# KiCad board badge.kicad_pcb (continued)
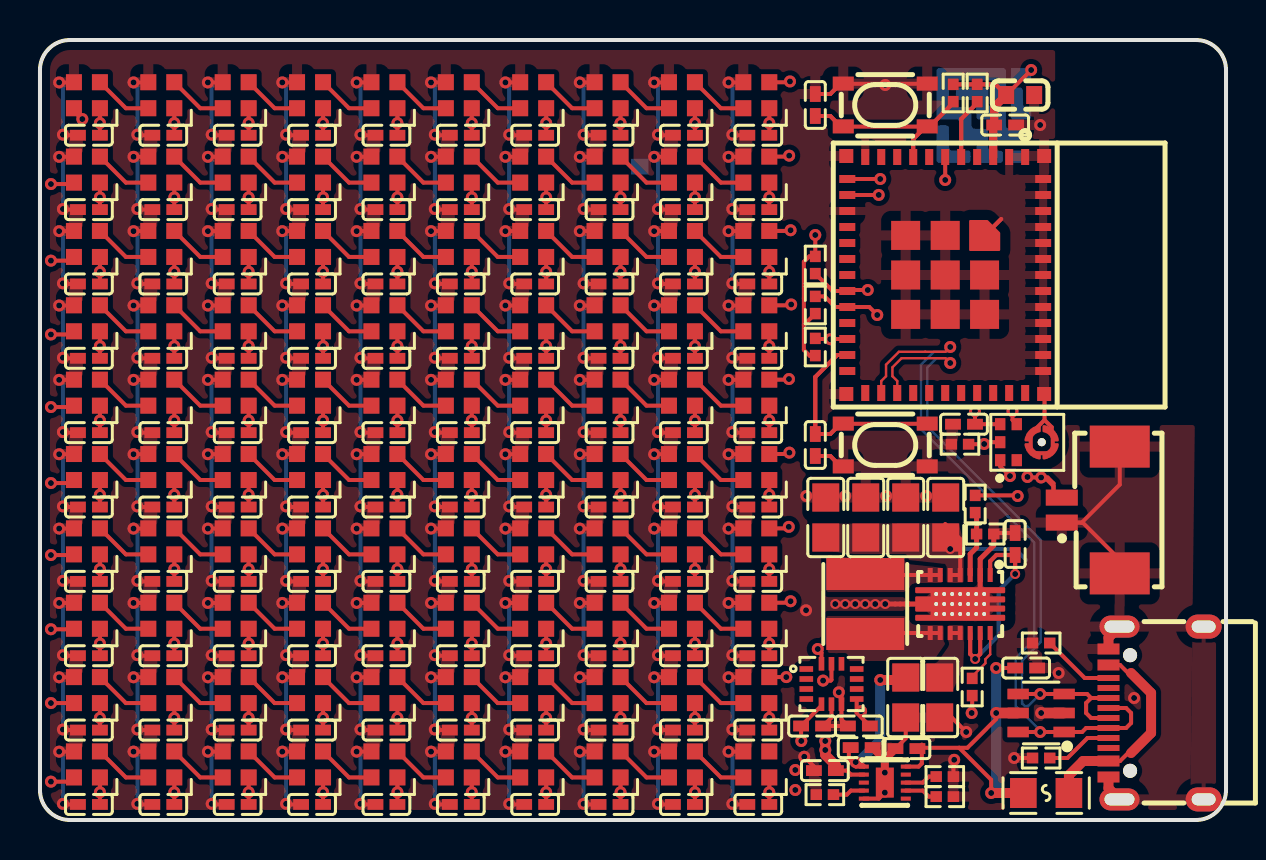
[diagram p0: board, top side]
## Library data of the parts (continued)
C104 = -: Datasheet: https://www.lcsc.com/datasheet/lcsc_datasheet_2304140030_Samsung-Electro-Mechanics-CL05B104KO5NNNC_C1525.pdf; checksum: dee2f3e8b3b5dcf7b72bbcb4e8c6e40185d754e15ce4224dccbc55d9ddeb3abe; __atopile_lib_fp_hash__: abd85f6b-95fa-ed5a-88fe-be39d3a76574; LCSC: C1525; Manufacturer: Samsung Electro-Mechanics; Partnumber: CL05B104KO5NNNC; PARAM_capacitance: {"type": "Quantity_Interval_Disjoint", "data": {"intervals": {"type": "Numeric_Interval_Disjoint", "data": {"intervals": [{"type": "Numeric_Interval", "data": {"min": 9e-08, "max": 1.1e-07}}]}}, "unit": "farad"}}; PARAM_max_voltage: {"type": "Quantity_Set_Discrete", "data": {"intervals": {"type": "Numeric_Interval_Disjoint", "data": {"intervals": [{"type": "Numeric_Interval", "data": {"min": 16.0, "max": 16.0}}]}}, "unit": "volt"}}; PARAM_temperature_coefficient: {"type": "EnumSet", "data": {"elements": [{"name": "X7R"}], "enum": {"name": "TemperatureCoefficient", "values": {"Y5V": 1, "Z5U": 2, "X7S": 3, "X5R": 4, "X6R": 5, "X7R": 6, "X8R": 7, "C0G": 8}}}}; atopile_address: led_grid.rows[9].leds[9].cap; atopile_subaddresses: [.ato/modules/atopile/addressable-leds/layouts/default/default.kicad_pcb:cap, layouts/grid100x100/grid100x100.kicad_pcb:rows[9].leds[9].cap, layouts/strip10/strip10.kicad_pcb:leds[9].cap]
C105 = -: Datasheet: https://www.lcsc.com/datasheet/lcsc_datasheet_2304140030_Samsung-Electro-Mechanics-CL05B104KO5NNNC_C1525.pdf; checksum: dee2f3e8b3b5dcf7b72bbcb4e8c6e40185d754e15ce4224dccbc55d9ddeb3abe; __atopile_lib_fp_hash__: abd85f6b-95fa-ed5a-88fe-be39d3a76574; LCSC: C1525; Manufacturer: Samsung Electro-Mechanics; Partnumber: CL05B104KO5NNNC; PARAM_capacitance: {"type": "Quantity_Interval_Disjoint", "data": {"intervals": {"type": "Numeric_Interval_Disjoint", "data": {"intervals": [{"type": "Numeric_Interval", "data": {"min": 9e-08, "max": 1.1e-07}}]}}, "unit": "farad"}}; PARAM_max_voltage: {"type": "Quantity_Set_Discrete", "data": {"intervals": {"type": "Numeric_Interval_Disjoint", "data": {"intervals": [{"type": "Numeric_Interval", "data": {"min": 16.0, "max": 16.0}}]}}, "unit": "volt"}}; PARAM_temperature_coefficient: {"type": "EnumSet", "data": {"elements": [{"name": "X7R"}], "enum": {"name": "TemperatureCoefficient", "values": {"Y5V": 1, "Z5U": 2, "X7S": 3, "X5R": 4, "X6R": 5, "X7R": 6, "X8R": 7, "C0G": 8}}}}; atopile_address: microphone.decoupling_capacitor; atopile_subaddresses: [.ato/modules/atopile/microphones/layouts/tdk_invensense_ics_43434/tdk_invensense_ics_43434.kicad_pcb:decoupling_capacitor]
C106 = -: Datasheet: https://www.lcsc.com/datasheet/lcsc_datasheet_2304140030_Samsung-Electro-Mechanics-CL05B104KO5NNNC_C1525.pdf; checksum: dee2f3e8b3b5dcf7b72bbcb4e8c6e40185d754e15ce4224dccbc55d9ddeb3abe; __atopile_lib_fp_hash__: abd85f6b-95fa-ed5a-88fe-be39d3a76574; LCSC: C1525; Manufacturer: Samsung Electro-Mechanics; Partnumber: CL05B104KO5NNNC; PARAM_capacitance: {"type": "Quantity_Interval_Disjoint", "data": {"intervals": {"type": "Numeric_Interval_Disjoint", "data": {"intervals": [{"type": "Numeric_Interval", "data": {"min": 9e-08, "max": 1.1e-07}}]}}, "unit": "farad"}}; PARAM_max_voltage: {"type": "Quantity_Set_Discrete", "data": {"intervals": {"type": "Numeric_Interval_Disjoint", "data": {"intervals": [{"type": "Numeric_Interval", "data": {"min": 16.0, "max": 16.0}}]}}, "unit": "volt"}}; PARAM_temperature_coefficient: {"type": "EnumSet", "data": {"elements": [{"name": "X7R"}], "enum": {"name": "TemperatureCoefficient", "values": {"Y5V": 1, "Z5U": 2, "X7S": 3, "X5R": 4, "X6R": 5, "X7R": 6, "X8R": 7, "C0G": 8}}}}; atopile_address: microcontroller.debounce_capacitors[0]; atopile_subaddresses: [.ato/modules/atopile/espressif-esp32-c3/layouts/esp32_c3_mini_1_driver/esp32_c3_mini_1_driver.kicad_pcb:debounce_capacitors[0]]
C107 = -: Datasheet: https://www.lcsc.com/datasheet/lcsc_datasheet_2304140030_Samsung-Electro-Mechanics-CL05B104KO5NNNC_C1525.pdf; checksum: dee2f3e8b3b5dcf7b72bbcb4e8c6e40185d754e15ce4224dccbc55d9ddeb3abe; __atopile_lib_fp_hash__: abd85f6b-95fa-ed5a-88fe-be39d3a76574; LCSC: C1525; Manufacturer: Samsung Electro-Mechanics; Partnumber: CL05B104KO5NNNC; PARAM_capacitance: {"type": "Quantity_Interval_Disjoint", "data": {"intervals": {"type": "Numeric_Interval_Disjoint", "data": {"intervals": [{"type": "Numeric_Interval", "data": {"min": 9e-08, "max": 1.1e-07}}]}}, "unit": "farad"}}; PARAM_max_voltage: {"type": "Quantity_Set_Discrete", "data": {"intervals": {"type": "Numeric_Interval_Disjoint", "data": {"intervals": [{"type": "Numeric_Interval", "data": {"min": 16.0, "max": 16.0}}]}}, "unit": "volt"}}; PARAM_temperature_coefficient: {"type": "EnumSet", "data": {"elements": [{"name": "X7R"}], "enum": {"name": "TemperatureCoefficient", "values": {"Y5V": 1, "Z5U": 2, "X7S": 3, "X5R": 4, "X6R": 5, "X7R": 6, "X8R": 7, "C0G": 8}}}}; atopile_address: microcontroller.debounce_capacitors[1]; atopile_subaddresses: [.ato/modules/atopile/espressif-esp32-c3/layouts/esp32_c3_mini_1_driver/esp32_c3_mini_1_driver.kicad_pcb:debounce_capacitors[1]]
C108 = -: Datasheet: https://www.lcsc.com/datasheet/lcsc_datasheet_2304140030_Samsung-Electro-Mechanics-CL10A226MQ8NRNC_C59461.pdf; checksum: 1fe17a5c0e9eba51ea1150b2f4c601e88fbae494fb506c1247fba9358594accb; __atopile_lib_fp_hash__: 87b4053a-0d4a-606d-c4bf-af2e55813aae; LCSC: C59461; Manufacturer: Samsung Electro-Mechanics; Partnumber: CL10A226MQ8NRNC; PARAM_capacitance: {"type": "Quantity_Interval_Disjoint", "data": {"intervals": {"type": "Numeric_Interval_Disjoint", "data": {"intervals": [{"type": "Numeric_Interval", "data": {"min": 1.7599999934e-05, "max": 2.6400000066e-05}}]}}, "unit": "farad"}}; PARAM_max_voltage: {"type": "Quantity_Set_Discrete", "data": {"intervals": {"type": "Numeric_Interval_Disjoint", "data": {"intervals": [{"type": "Numeric_Interval", "data": {"min": 6.3, "max": 6.3}}]}}, "unit": "volt"}}; PARAM_temperature_coefficient: {"type": "EnumSet", "data": {"elements": [{"name": "X5R"}], "enum": {"name": "TemperatureCoefficient", "values": {"Y5V": 1, "Z5U": 2, "X7S": 3, "X5R": 4, "X6R": 5, "X7R": 6, "X8R": 7, "C0G": 8}}}}; atopile_address: microcontroller.decoupling_capacitor_bulk; atopile_subaddresses: [.ato/modules/atopile/espressif-esp32-c3/layouts/esp32_c3_mini_1_driver/esp32_c3_mini_1_driver.kicad_pcb:decoupling_capacitor_bulk]
C109 = -: Datasheet: https://www.lcsc.com/datasheet/lcsc_datasheet_2304140030_Samsung-Electro-Mechanics-CL05B104KO5NNNC_C1525.pdf; checksum: dee2f3e8b3b5dcf7b72bbcb4e8c6e40185d754e15ce4224dccbc55d9ddeb3abe; __atopile_lib_fp_hash__: abd85f6b-95fa-ed5a-88fe-be39d3a76574; LCSC: C1525; Manufacturer: Samsung Electro-Mechanics; Partnumber: CL05B104KO5NNNC; PARAM_capacitance: {"type": "Quantity_Interval_Disjoint", "data": {"intervals": {"type": "Numeric_Interval_Disjoint", "data": {"intervals": [{"type": "Numeric_Interval", "data": {"min": 9e-08, "max": 1.1e-07}}]}}, "unit": "farad"}}; PARAM_max_voltage: {"type": "Quantity_Set_Discrete", "data": {"intervals": {"type": "Numeric_Interval_Disjoint", "data": {"intervals": [{"type": "Numeric_Interval", "data": {"min": 16.0, "max": 16.0}}]}}, "unit": "volt"}}; PARAM_temperature_coefficient: {"type": "EnumSet", "data": {"elements": [{"name": "X7R"}], "enum": {"name": "TemperatureCoefficient", "values": {"Y5V": 1, "Z5U": 2, "X7S": 3, "X5R": 4, "X6R": 5, "X7R": 6, "X8R": 7, "C0G": 8}}}}; atopile_address: microcontroller.decoupling_capacitor_small; atopile_subaddresses: [.ato/modules/atopile/espressif-esp32-c3/layouts/esp32_c3_mini_1_driver/esp32_c3_mini_1_driver.kicad_pcb:decoupling_capacitor_small]
C110 = -: Datasheet: https://www.lcsc.com/datasheet/lcsc_datasheet_2304140030_Samsung-Electro-Mechanics-CL21A226MQQNNNE_C5674.pdf; checksum: 1d4dfc792dfb7eaafb8fa4d329574dd829bd88cc9c003a0e3601ad18c6aba173; __atopile_lib_fp_hash__: 4d3d4281-34b2-e183-3056-12a9943fd0f1; LCSC: C5674; Manufacturer: Samsung Electro-Mechanics; Partnumber: CL21A226MQQNNNE; PARAM_capacitance: {"type": "Quantity_Interval_Disjoint", "data": {"intervals": {"type": "Numeric_Interval_Disjoint", "data": {"intervals": [{"type": "Numeric_Interval", "data": {"min": 1.7599999934e-05, "max": 2.6400000066e-05}}]}}, "unit": "farad"}}; PARAM_max_voltage: {"type": "Quantity_Set_Discrete", "data": {"intervals": {"type": "Numeric_Interval_Disjoint", "data": {"intervals": [{"type": "Numeric_Interval", "data": {"min": 6.3, "max": 6.3}}]}}, "unit": "volt"}}; PARAM_temperature_coefficient: {"type": "EnumSet", "data": {"elements": [{"name": "X5R"}], "enum": {"name": "TemperatureCoefficient", "values": {"Y5V": 1, "Z5U": 2, "X7S": 3, "X5R": 4, "X6R": 5, "X7R": 6, "X8R": 7, "C0G": 8}}}}; atopile_address: buck_boost.output_decoupling_capacitor[0]; atopile_subaddresses: [.ato/modules/atopile/ti-tps63020/layouts/default/default.kicad_pcb:output_decoupling_capacitor[0]]
C111 = -: Datasheet: https://www.lcsc.com/datasheet/lcsc_datasheet_2304140030_Samsung-Electro-Mechanics-CL21A226MQQNNNE_C5674.pdf; checksum: 1d4dfc792dfb7eaafb8fa4d329574dd829bd88cc9c003a0e3601ad18c6aba173; __atopile_lib_fp_hash__: 4d3d4281-34b2-e183-3056-12a9943fd0f1; LCSC: C5674; Manufacturer: Samsung Electro-Mechanics; Partnumber: CL21A226MQQNNNE; PARAM_capacitance: {"type": "Quantity_Interval_Disjoint", "data": {"intervals": {"type": "Numeric_Interval_Disjoint", "data": {"intervals": [{"type": "Numeric_Interval", "data": {"min": 1.7599999934e-05, "max": 2.6400000066e-05}}]}}, "unit": "farad"}}; PARAM_max_voltage: {"type": "Quantity_Set_Discrete", "data": {"intervals": {"type": "Numeric_Interval_Disjoint", "data": {"intervals": [{"type": "Numeric_Interval", "data": {"min": 6.3, "max": 6.3}}]}}, "unit": "volt"}}; PARAM_temperature_coefficient: {"type": "EnumSet", "data": {"elements": [{"name": "X5R"}], "enum": {"name": "TemperatureCoefficient", "values": {"Y5V": 1, "Z5U": 2, "X7S": 3, "X5R": 4, "X6R": 5, "X7R": 6, "X8R": 7, "C0G": 8}}}}; atopile_address: buck_boost.output_decoupling_capacitor[1]; atopile_subaddresses: [.ato/modules/atopile/ti-tps63020/layouts/default/default.kicad_pcb:output_decoupling_capacitor[1]]
C112 = -: Datasheet: https://www.lcsc.com/datasheet/lcsc_datasheet_2304140030_Samsung-Electro-Mechanics-CL21A226MQQNNNE_C5674.pdf; checksum: 1d4dfc792dfb7eaafb8fa4d329574dd829bd88cc9c003a0e3601ad18c6aba173; __atopile_lib_fp_hash__: 4d3d4281-34b2-e183-3056-12a9943fd0f1; LCSC: C5674; Manufacturer: Samsung Electro-Mechanics; Partnumber: CL21A226MQQNNNE; PARAM_capacitance: {"type": "Quantity_Interval_Disjoint", "data": {"intervals": {"type": "Numeric_Interval_Disjoint", "data": {"intervals": [{"type": "Numeric_Interval", "data": {"min": 1.7599999934e-05, "max": 2.6400000066e-05}}]}}, "unit": "farad"}}; PARAM_max_voltage: {"type": "Quantity_Set_Discrete", "data": {"intervals": {"type": "Numeric_Interval_Disjoint", "data": {"intervals": [{"type": "Numeric_Interval", "data": {"min": 6.3, "max": 6.3}}]}}, "unit": "volt"}}; PARAM_temperature_coefficient: {"type": "EnumSet", "data": {"elements": [{"name": "X5R"}], "enum": {"name": "TemperatureCoefficient", "values": {"Y5V": 1, "Z5U": 2, "X7S": 3, "X5R": 4, "X6R": 5, "X7R": 6, "X8R": 7, "C0G": 8}}}}; atopile_address: buck_boost.output_decoupling_capacitor[2]; atopile_subaddresses: [.ato/modules/atopile/ti-tps63020/layouts/default/default.kicad_pcb:output_decoupling_capacitor[2]]
C113 = -: Datasheet: https://www.lcsc.com/datasheet/lcsc_datasheet_2304140030_Samsung-Electro-Mechanics-CL05A105KA5NQNC_C52923.pdf; checksum: fb1f74ab2362d17c6aea966870f99702f6765a08bacbb216a38f8ab933a77a67; __atopile_lib_fp_hash__: 12248cc1-3179-c7ef-8fa5-7c80e45cc4f7; LCSC: C52923; Manufacturer: Samsung Electro-Mechanics; Partnumber: CL05A105KA5NQNC; PARAM_capacitance: {"type": "Quantity_Interval_Disjoint", "data": {"intervals": {"type": "Numeric_Interval_Disjoint", "data": {"intervals": [{"type": "Numeric_Interval", "data": {"min": 8.99999999e-07, "max": 1.100000001e-06}}]}}, "unit": "farad"}}; PARAM_max_voltage: {"type": "Quantity_Set_Discrete", "data": {"intervals": {"type": "Numeric_Interval_Disjoint", "data": {"intervals": [{"type": "Numeric_Interval", "data": {"min": 25.0, "max": 25.0}}]}}, "unit": "volt"}}; PARAM_temperature_coefficient: {"type": "EnumSet", "data": {"elements": [{"name": "X5R"}], "enum": {"name": "TemperatureCoefficient", "values": {"Y5V": 1, "Z5U": 2, "X7S": 3, "X5R": 4, "X6R": 5, "X7R": 6, "X8R": 7, "C0G": 8}}}}; atopile_address: charger.batt_decoupling_capacitor; atopile_subaddresses: [.ato/modules/atopile/ti-bq25185/layouts/bq25185_driver/bq25185_driver.kicad_pcb:batt_decoupling_capacitor]
C114 = -: Datasheet: https://wmsc.lcsc.com/wmsc/upload/file/pdf/v2/lcsc/2304140030_Murata-Electronics-GRM155R60J106ME44D_C76991.pdf; checksum: 3cd2cc14c35952033f50f3f44f7dca5c43470ff4ac5d16d7c937d5400e0e58d0; __atopile_lib_fp_hash__: 1254a0d3-7923-b734-50e4-b49d937b5505; LCSC: C76991; Manufacturer: Murata Electronics; Partnumber: GRM155R60J106ME44D; PARAM_capacitance: {"type": "Quantity_Interval_Disjoint", "data": {"intervals": {"type": "Numeric_Interval_Disjoint", "data": {"intervals": [{"type": "Numeric_Interval", "data": {"min": 7.99999997e-06, "max": 1.200000003e-05}}]}}, "unit": "farad"}}; PARAM_max_voltage: {"type": "Quantity_Set_Discrete", "data": {"intervals": {"type": "Numeric_Interval_Disjoint", "data": {"intervals": [{"type": "Numeric_Interval", "data": {"min": 6.3, "max": 6.3}}]}}, "unit": "volt"}}; PARAM_temperature_coefficient: {"type": "EnumSet", "data": {"elements": [{"name": "X5R"}], "enum": {"name": "TemperatureCoefficient", "values": {"Y5V": 1, "Z5U": 2, "X7S": 3, "X5R": 4, "X6R": 5, "X7R": 6, "X8R": 7, "C0G": 8}}}}; atopile_address: charger.sys_decoupling_capacitor; atopile_subaddresses: [.ato/modules/atopile/ti-bq25185/layouts/bq25185_driver/bq25185_driver.kicad_pcb:sys_decoupling_capacitor]
C115 = -: Datasheet: https://www.lcsc.com/datasheet/lcsc_datasheet_2304140030_Samsung-Electro-Mechanics-CL05A105KA5NQNC_C52923.pdf; checksum: fb1f74ab2362d17c6aea966870f99702f6765a08bacbb216a38f8ab933a77a67; __atopile_lib_fp_hash__: 12248cc1-3179-c7ef-8fa5-7c80e45cc4f7; LCSC: C52923; Manufacturer: Samsung Electro-Mechanics; Partnumber: CL05A105KA5NQNC; PARAM_capacitance: {"type": "Quantity_Interval_Disjoint", "data": {"intervals": {"type": "Numeric_Interval_Disjoint", "data": {"intervals": [{"type": "Numeric_Interval", "data": {"min": 8.99999999e-07, "max": 1.100000001e-06}}]}}, "unit": "farad"}}; PARAM_max_voltage: {"type": "Quantity_Set_Discrete", "data": {"intervals": {"type": "Numeric_Interval_Disjoint", "data": {"intervals": [{"type": "Numeric_Interval", "data": {"min": 25.0, "max": 25.0}}]}}, "unit": "volt"}}; PARAM_temperature_coefficient: {"type": "EnumSet", "data": {"elements": [{"name": "X5R"}], "enum": {"name": "TemperatureCoefficient", "values": {"Y5V": 1, "Z5U": 2, "X7S": 3, "X5R": 4, "X6R": 5, "X7R": 6, "X8R": 7, "C0G": 8}}}}; atopile_address: charger.vbus_decoupling_capacitor; atopile_subaddresses: [.ato/modules/atopile/ti-bq25185/layouts/bq25185_driver/bq25185_driver.kicad_pcb:vbus_decoupling_capacitor]
C116 = -: Datasheet: https://www.lcsc.com/datasheet/lcsc_datasheet_2304140030_Samsung-Electro-Mechanics-CL21A226MQQNNNE_C5674.pdf; checksum: 1d4dfc792dfb7eaafb8fa4d329574dd829bd88cc9c003a0e3601ad18c6aba173; __atopile_lib_fp_hash__: 4d3d4281-34b2-e183-3056-12a9943fd0f1; LCSC: C5674; Manufacturer: Samsung Electro-Mechanics; Partnumber: CL21A226MQQNNNE; PARAM_capacitance: {"type": "Quantity_Interval_Disjoint", "data": {"intervals": {"type": "Numeric_Interval_Disjoint", "data": {"intervals": [{"type": "Numeric_Interval", "data": {"min": 1.7599999934e-05, "max": 2.6400000066e-05}}]}}, "unit": "farad"}}; PARAM_max_voltage: {"type": "Quantity_Set_Discrete", "data": {"intervals": {"type": "Numeric_Interval_Disjoint", "data": {"intervals": [{"type": "Numeric_Interval", "data": {"min": 6.3, "max": 6.3}}]}}, "unit": "volt"}}; PARAM_temperature_coefficient: {"type": "EnumSet", "data": {"elements": [{"name": "X5R"}], "enum": {"name": "TemperatureCoefficient", "values": {"Y5V": 1, "Z5U": 2, "X7S": 3, "X5R": 4, "X6R": 5, "X7R": 6, "X8R": 7, "C0G": 8}}}}; atopile_address: buck_boost.output_decoupling_capacitor[3]; atopile_subaddresses: [.ato/modules/atopile/ti-tps63020/layouts/default/default.kicad_pcb:output_decoupling_capacitor[3]]
C117 = -: Datasheet: https://www.lcsc.com/datasheet/lcsc_datasheet_2304140030_Samsung-Electro-Mechanics-CL05B104KO5NNNC_C1525.pdf; checksum: dee2f3e8b3b5dcf7b72bbcb4e8c6e40185d754e15ce4224dccbc55d9ddeb3abe; __atopile_lib_fp_hash__: abd85f6b-95fa-ed5a-88fe-be39d3a76574; LCSC: C1525; Manufacturer: Samsung Electro-Mechanics; Partnumber: CL05B104KO5NNNC; PARAM_capacitance: {"type": "Quantity_Interval_Disjoint", "data": {"intervals": {"type": "Numeric_Interval_Disjoint", "data": {"intervals": [{"type": "Numeric_Interval", "data": {"min": 9e-08, "max": 1.1e-07}}]}}, "unit": "farad"}}; PARAM_max_voltage: {"type": "Quantity_Set_Discrete", "data": {"intervals": {"type": "Numeric_Interval_Disjoint", "data": {"intervals": [{"type": "Numeric_Interval", "data": {"min": 16.0, "max": 16.0}}]}}, "unit": "volt"}}; PARAM_temperature_coefficient: {"type": "EnumSet", "data": {"elements": [{"name": "X7R"}], "enum": {"name": "TemperatureCoefficient", "values": {"Y5V": 1, "Z5U": 2, "X7S": 3, "X5R": 4, "X6R": 5, "X7R": 6, "X8R": 7, "C0G": 8}}}}; atopile_address: buck_boost.power_in_a_capacitor; atopile_subaddresses: [.ato/modules/atopile/ti-tps63020/layouts/default/default.kicad_pcb:power_in_a_capacitor]
C118 = -: Datasheet: https://www.lcsc.com/datasheet/lcsc_datasheet_2304140030_Samsung-Electro-Mechanics-CL05B104KO5NNNC_C1525.pdf; checksum: dee2f3e8b3b5dcf7b72bbcb4e8c6e40185d754e15ce4224dccbc55d9ddeb3abe; __atopile_lib_fp_hash__: abd85f6b-95fa-ed5a-88fe-be39d3a76574; LCSC: C1525; Manufacturer: Samsung Electro-Mechanics; Partnumber: CL05B104KO5NNNC; PARAM_capacitance: {"type": "Quantity_Interval_Disjoint", "data": {"intervals": {"type": "Numeric_Interval_Disjoint", "data": {"intervals": [{"type": "Numeric_Interval", "data": {"min": 9e-08, "max": 1.1e-07}}]}}, "unit": "farad"}}; PARAM_max_voltage: {"type": "Quantity_Set_Discrete", "data": {"intervals": {"type": "Numeric_Interval_Disjoint", "data": {"intervals": [{"type": "Numeric_Interval", "data": {"min": 16.0, "max": 16.0}}]}}, "unit": "volt"}}; PARAM_temperature_coefficient: {"type": "EnumSet", "data": {"elements": [{"name": "X7R"}], "enum": {"name": "TemperatureCoefficient", "values": {"Y5V": 1, "Z5U": 2, "X7S": 3, "X5R": 4, "X6R": 5, "X7R": 6, "X8R": 7, "C0G": 8}}}}; atopile_address: usb_c.esd_protection.decoupling_capacitor; atopile_subaddresses: [.ato/modules/atopile/usb-connectors/layouts/default/default.kicad_pcb:esd_protection.decoupling_capacitor]
D1 = -: Datasheet: https://lcsc.com/datasheet/lcsc_datasheet_2410121836_ST-USBLC6-2SC6_C7519.pdf; checksum: 99accde982571808bfb1082dbc55672d9798d8f8960e6af0a68e562a4a4e6b8c; __atopile_lib_fp_hash__: 00ad0a2a-d5a7-6087-f727-7d0d6dabcbbc; LCSC: C7519; Manufacturer: STMicroelectronics; Partnumber: USBLC6-2SC6; atopile_address: usb_c.esd_protection.package; atopile_subaddresses: [.ato/modules/atopile/usb-connectors/layouts/default/default.kicad_pcb:esd_protection.package]
F1 = -: Datasheet: https://lcsc.com/datasheet/lcsc_datasheet_2409301532_BHFUSE-BSMD0805-050-15V_C883109.pdf; checksum: 68d93c0c866b516ce9de13db53cb8a668c7c94dddec3b5c0b46a50d3a57422b4; __atopile_lib_fp_hash__: 50610328-5e91-2802-3b06-c912d64396c5; LCSC: C883109; Manufacturer: BHFUSE; Partnumber: BSMD0805-050-15V; atopile_address: usb_c.fused_usb.fuse.package; atopile_subaddresses: [.ato/modules/atopile/usb-connectors/layouts/default/default.kicad_pcb:fused_usb.fuse.package]
L1 = -: Datasheet: https://www.lcsc.com/datasheet/lcsc_datasheet_2304140030_cjiang--Changjiang-Microelectronics-Tech-FNR4030S1R0MT_C167865.pdf; checksum: bf9b0dbfc00bd64e5148ee74381fd7e4b615c7653f994f73d125fd61092774a3; __atopile_lib_fp_hash__: 96dcbec2-9c11-dfc8-fc99-ec672a4dadfa; LCSC: C167865; Manufacturer: cjiang(Changjiang Microelectronics Tech); Partnumber: FNR4030S1R0MT; atopile_address: buck_boost.inductor; PARAM_dc_resistance: {"type": "Quantity_Set_Discrete", "data": {"intervals": {"type": "Numeric_Interval_Disjoint", "data": {"intervals": [{"type": "Numeric_Interval", "data": {"min": 0.018, "max": 0.018}}]}}, "unit": "ohm"}}; PARAM_inductance: {"type": "Quantity_Interval_Disjoint", "data": {"intervals": {"type": "Numeric_Interval_Disjoint", "data": {"intervals": [{"type": "Numeric_Interval", "data": {"min": 7.99999997e-07, "max": 1.200000003e-06}}]}}, "unit": "henry"}}; PARAM_max_current: {"type": "Quantity_Set_Discrete", "data": {"intervals": {"type": "Numeric_Interval_Disjoint", "data": {"intervals": [{"type": "Numeric_Interval", "data": {"min": 4.7, "max": 4.7}}]}}, "unit": "ampere"}}; PARAM_saturation_current: {"type": "Quantity_Set_Discrete", "data": {"intervals": {"type": "Numeric_Interval_Disjoint", "data": {"intervals": [{"type": "Numeric_Interval", "data": {"min": 5.7, "max": 5.7}}]}}, "unit": "ampere"}}; PARAM_self_resonant_frequency: {"type": "Quantity_Interval_Disjoint", "data": {"intervals": {"type": "Numeric_Interval_Disjoint", "data": {"intervals": [{"type": "Numeric_Interval", "data": {"min": 0.0, "max": null}}]}}, "unit": "hertz"}}; atopile_subaddresses: [.ato/modules/atopile/ti-tps63020/layouts/default/default.kicad_pcb:inductor]
LED1 = -: __atopile_lib_fp_hash__: 180da655-92ec-f3a9-06cc-15ce99e7547f; LCSC: C2890036; Manufacturer: OPSCO; Partnumber: SK6805-EC20; atopile_address: led_grid.rows[0].leds[0].package; atopile_subaddresses: [.ato/modules/atopile/addressable-leds/layouts/default/default.kicad_pcb:package, layouts/grid100x100/grid100x100.kicad_pcb:rows[0].leds[0].package, layouts/strip10/strip10.kicad_pcb:leds[0].package]
LED2 = -: __atopile_lib_fp_hash__: 180da655-92ec-f3a9-06cc-15ce99e7547f; LCSC: C2890036; Manufacturer: OPSCO; Partnumber: SK6805-EC20; atopile_address: led_grid.rows[0].leds[1].package; atopile_subaddresses: [.ato/modules/atopile/addressable-leds/layouts/default/default.kicad_pcb:package, layouts/grid100x100/grid100x100.kicad_pcb:rows[0].leds[1].package, layouts/strip10/strip10.kicad_pcb:leds[1].package]
LED3 = -: __atopile_lib_fp_hash__: 180da655-92ec-f3a9-06cc-15ce99e7547f; LCSC: C2890036; Manufacturer: OPSCO; Partnumber: SK6805-EC20; atopile_address: led_grid.rows[0].leds[2].package; atopile_subaddresses: [.ato/modules/atopile/addressable-leds/layouts/default/default.kicad_pcb:package, layouts/grid100x100/grid100x100.kicad_pcb:rows[0].leds[2].package, layouts/strip10/strip10.kicad_pcb:leds[2].package]
LED4 = -: __atopile_lib_fp_hash__: 180da655-92ec-f3a9-06cc-15ce99e7547f; LCSC: C2890036; Manufacturer: OPSCO; Partnumber: SK6805-EC20; atopile_address: led_grid.rows[0].leds[3].package; atopile_subaddresses: [.ato/modules/atopile/addressable-leds/layouts/default/default.kicad_pcb:package, layouts/grid100x100/grid100x100.kicad_pcb:rows[0].leds[3].package, layouts/strip10/strip10.kicad_pcb:leds[3].package]
LED5 = -: __atopile_lib_fp_hash__: 180da655-92ec-f3a9-06cc-15ce99e7547f; LCSC: C2890036; Manufacturer: OPSCO; Partnumber: SK6805-EC20; atopile_address: led_grid.rows[0].leds[4].package; atopile_subaddresses: [.ato/modules/atopile/addressable-leds/layouts/default/default.kicad_pcb:package, layouts/grid100x100/grid100x100.kicad_pcb:rows[0].leds[4].package, layouts/strip10/strip10.kicad_pcb:leds[4].package]
LED6 = -: __atopile_lib_fp_hash__: 180da655-92ec-f3a9-06cc-15ce99e7547f; LCSC: C2890036; Manufacturer: OPSCO; Partnumber: SK6805-EC20; atopile_address: led_grid.rows[0].leds[5].package; atopile_subaddresses: [.ato/modules/atopile/addressable-leds/layouts/default/default.kicad_pcb:package, layouts/grid100x100/grid100x100.kicad_pcb:rows[0].leds[5].package, layouts/strip10/strip10.kicad_pcb:leds[5].package]
LED7 = -: __atopile_lib_fp_hash__: 180da655-92ec-f3a9-06cc-15ce99e7547f; LCSC: C2890036; Manufacturer: OPSCO; Partnumber: SK6805-EC20; atopile_address: led_grid.rows[0].leds[6].package; atopile_subaddresses: [.ato/modules/atopile/addressable-leds/layouts/default/default.kicad_pcb:package, layouts/grid100x100/grid100x100.kicad_pcb:rows[0].leds[6].package, layouts/strip10/strip10.kicad_pcb:leds[6].package]
LED8 = -: __atopile_lib_fp_hash__: 180da655-92ec-f3a9-06cc-15ce99e7547f; LCSC: C2890036; Manufacturer: OPSCO; Partnumber: SK6805-EC20; atopile_address: led_grid.rows[0].leds[7].package; atopile_subaddresses: [.ato/modules/atopile/addressable-leds/layouts/default/default.kicad_pcb:package, layouts/grid100x100/grid100x100.kicad_pcb:rows[0].leds[7].package, layouts/strip10/strip10.kicad_pcb:leds[7].package]
LED9 = -: __atopile_lib_fp_hash__: 180da655-92ec-f3a9-06cc-15ce99e7547f; LCSC: C2890036; Manufacturer: OPSCO; Partnumber: SK6805-EC20; atopile_address: led_grid.rows[0].leds[8].package; atopile_subaddresses: [.ato/modules/atopile/addressable-leds/layouts/default/default.kicad_pcb:package, layouts/grid100x100/grid100x100.kicad_pcb:rows[0].leds[8].package, layouts/strip10/strip10.kicad_pcb:leds[8].package]